# Altium PCB OBC-FPGA.PcbDoc (part 1 of 3) (continued)
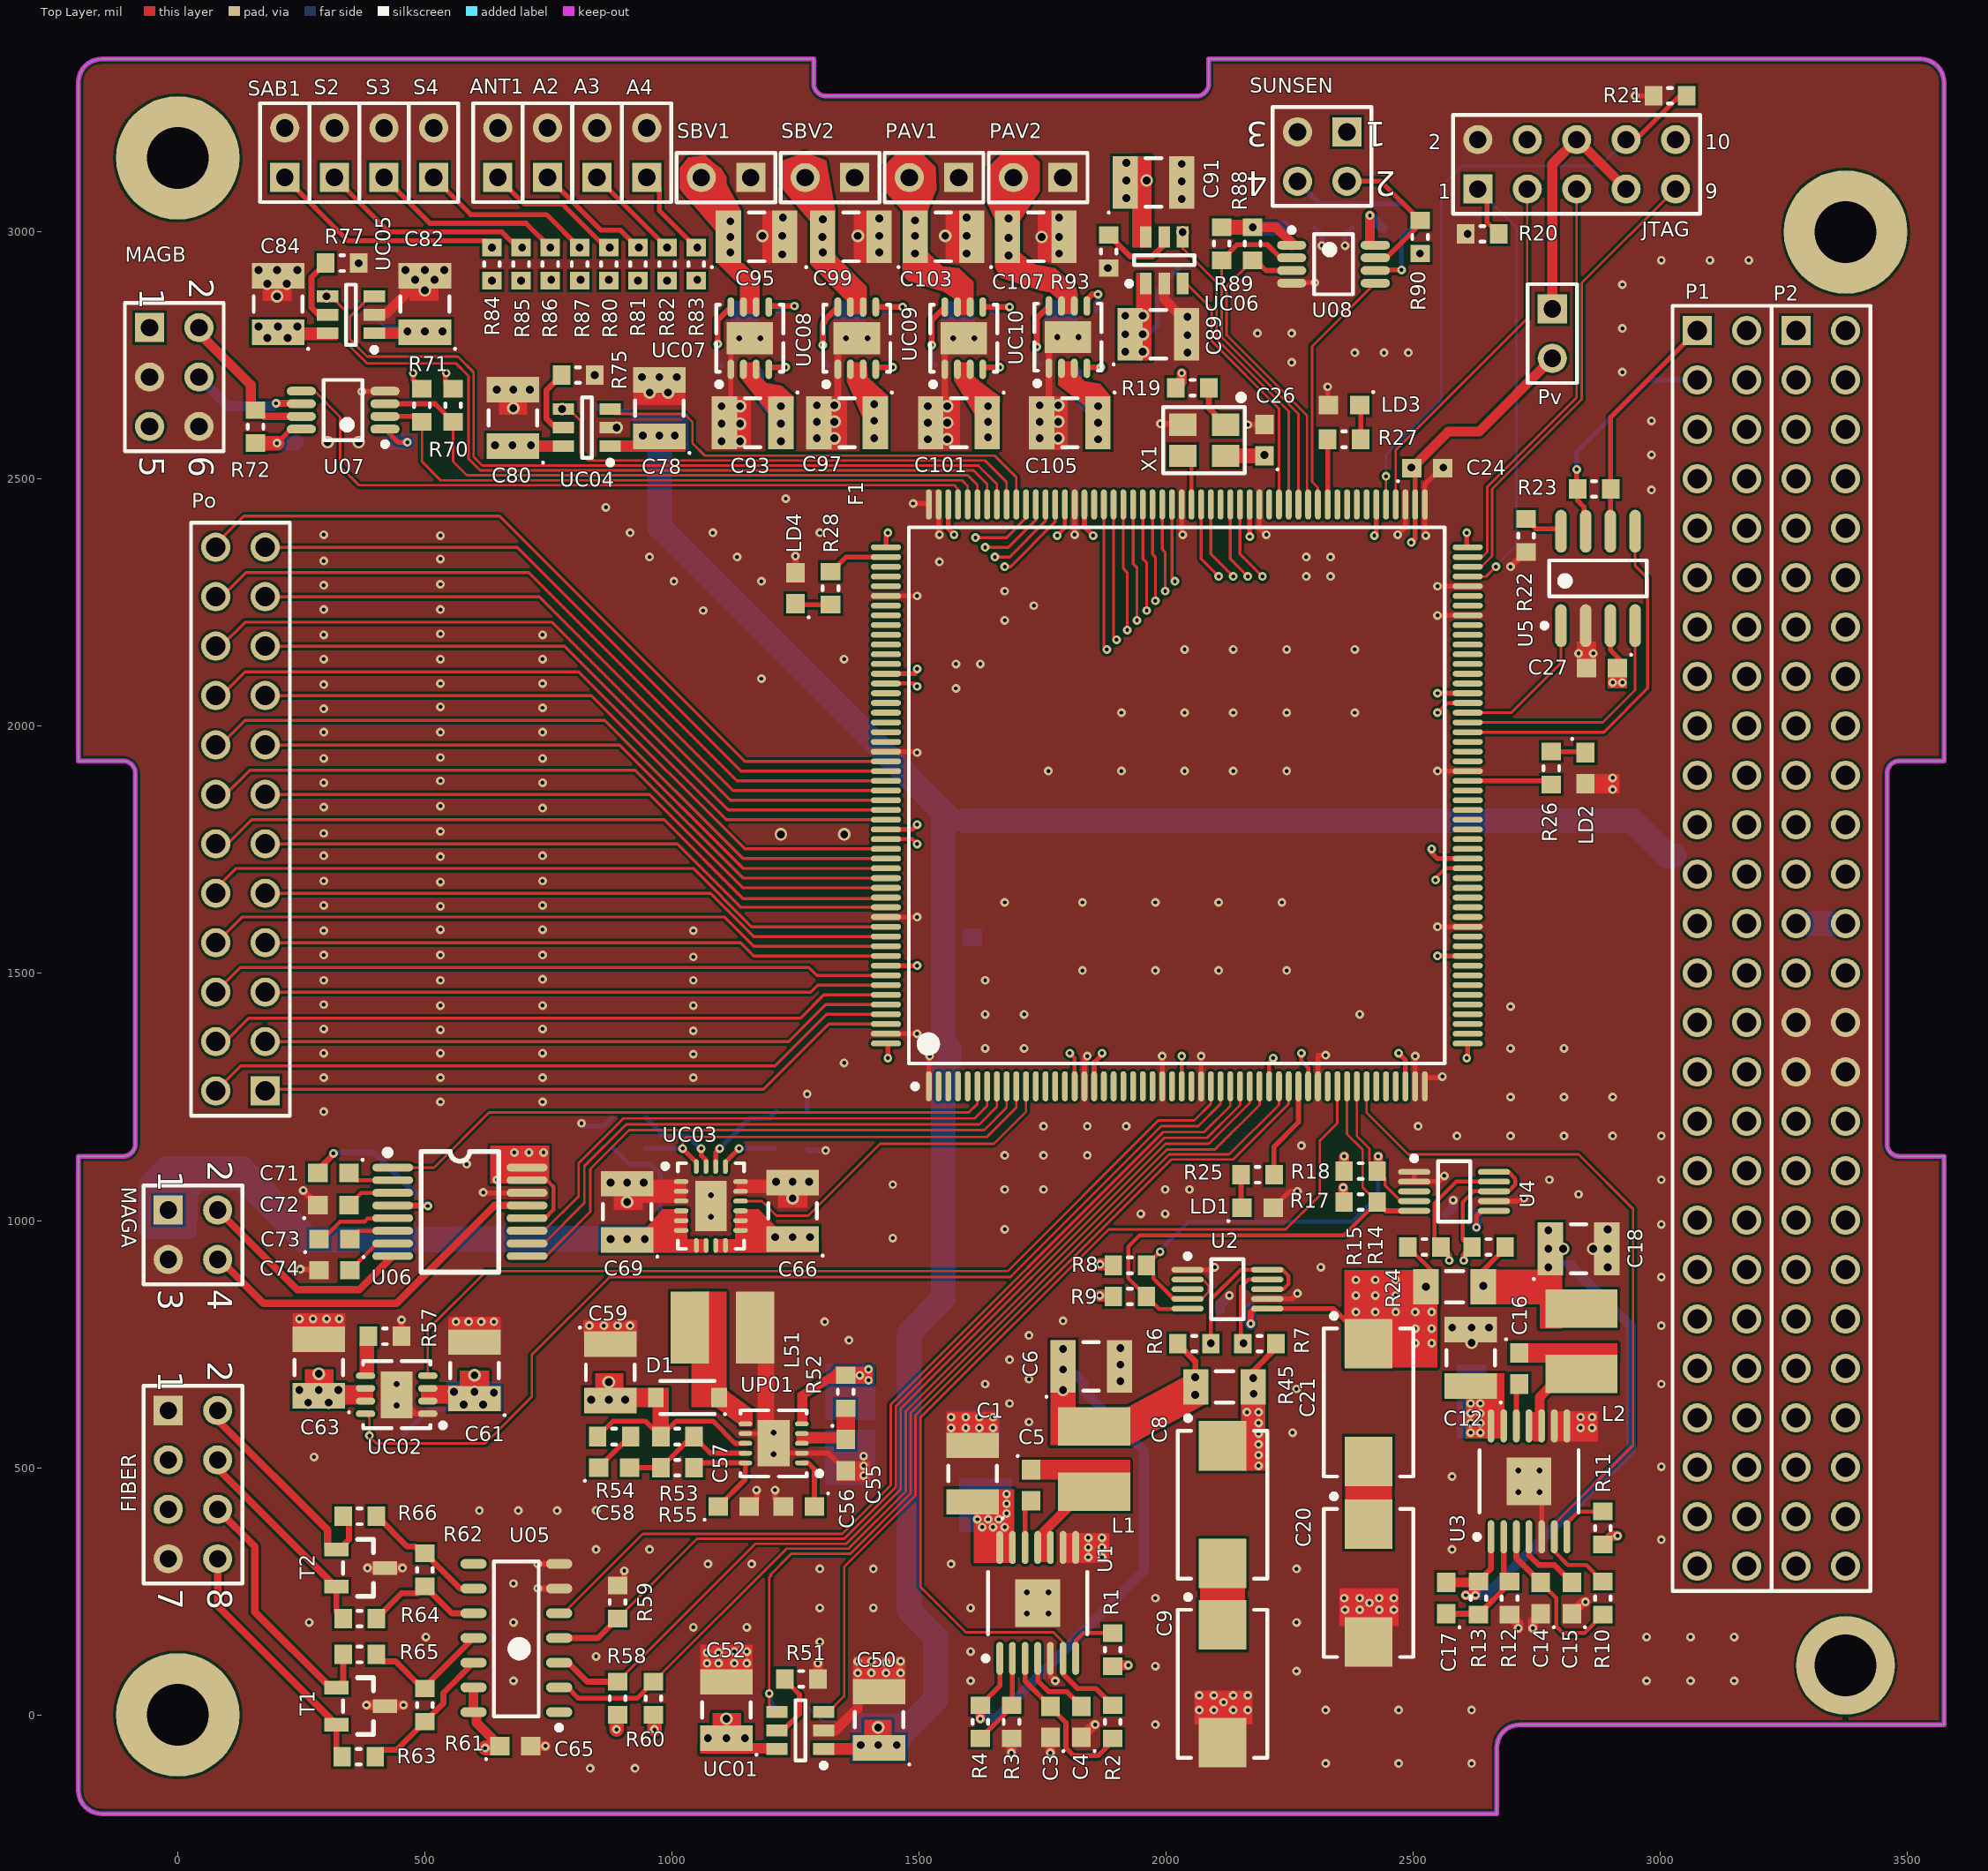
[diagram p0: Top Layer view]
## Components (designator, comment, footprint, x,y, rotation, side; value= is the part's Value field where it differs from the comment)
A2 "Header 2" HDR1X2 748.03,3110.63 r90 top
A3 "Header 2" HDR1X2 848.43,3110.63 r90 top
A4 "Header 2" HDR1X2 948.82,3110.63 r90 top
ANT1 "Header 2" HDR1X2 647.64,3110.63 r90 top
C1 "22uF" 1210(3225)-C-IPC 1608.27,488.19 r90 top
C2 "100nF" 0805(2012)-C-IPC 1610.24,488.19 r90 bottom
C3 "1.0uF" 0603(1608)-C-IPC 1765.75,-14.17 r90 top
C4 "3.3nF" 0603(1608)-C-IPC 1828.74,-14.17 r90 top
C5 "100nF" 0603(1608)-C-IPC 1726.38,464.57 r270 top
C6 "22uF" 1210(3225)-C-IPC 1848.43,704.72 r0 top
C7 "100nF" 0805(2012)-C-IPC 1852.36,687.01 r0 bottom
C8 "220uF" TanCap-D(7343)-C-IPC 2114.17,425.2 r90 top
C9 "220uF" TanCap-D(7343)-C-IPC 2114.17,62.99 r90 top
C10 "100nF" 0603(1608)-C-IPC 2122.05,748.06 r180 bottom
C11 "100nF" 0603(1608)-C-IPC 2139.76,819.88 r180 bottom
C12 "22uF" 1210(3225)-C-IPC 2616.14,722.44 r90 top
C13 "100nF" 0805(2012)-C-IPC 2618.11,718.5 r90 bottom
C14 "1.0uF" 0603(1608)-C-IPC 2757.87,236.22 r90 top
C15 "15nF" 0603(1608)-C-IPC 2820.87,236.22 r90 top
C16 "100nF" 0603(1608)-C-IPC 2714.57,700.79 r270 top
C17 "10pF" 0603(1608)-C-IPC 2566.93,236.22 r90 top
C18 "22uF" 1210(3225)-C-IPC 2834.65,942.91 r0 top
C19 "100nF" 0805(2012)-C-IPC 2836.61,940.94 r0 bottom
C20 "220uF" TanCap-D(7343)-C-IPC 2409.45,266.73 r90 top
C21 "220uF" TanCap-D(7343)-C-IPC 2409.45,631.89 r90 top
C22 "100nF" 0603(1608)-C-IPC 2587.6,946.85 r0 bottom
C23 "100nF" 0603(1608)-C-IPC 2598.43,1013.78 r180 bottom
C24 "10nF" 0603(1608)-C-IPC 2528.41,2522.46 r0 top
C25 "330nF" 0603(1608)-C-IPC 2528.41,2522.46 r0 bottom
C26 "100nF" 0603(1608)-C-IPC 2198.82,2578.74 r90 top
C27 "100nF" 0603(1608)-C-IPC 2881.89,2118.11 r180 top
C50 "22uF" 1210(3225)-C-IPC 1419.29,-9.84 r90 top
C51 "100nF" 0805(2012)-C-IPC 1417.32,11.81 r90 bottom
C52 "22uF" 1210(3225)-C-IPC 1110.24,9.84 r90 top
C53 "100nF" 0805(2012)-C-IPC 1110.24,30.51 r90 bottom
C54 "10uF" 0805(2012)-C-IPC 1338.58,586.61 r90 bottom
C55 "100nF" 0603(1608)-C-IPC 1351.38,525.59 r270 top
C56 "4.7nF" 0603(1608)-C-IPC 1256.89,421.26 r180 top
C57 "220nF" 0603(1608)-C-IPC 1125,421.26 r0 top
C58 "10pF" 0603(1608)-C-IPC 882.87,500 r0 top
C59 "22uF" 1210(3225)-C-IPC 875,692.91 r270 top
C60 "100nF" 0805(2012)-C-IPC 873.03,712.6 r270 bottom
C61 "22uF" 1210(3225)-C-IPC 600.39,696.85 r90 top
C62 "100nF" 0805(2012)-C-IPC 600.39,718.5 r90 bottom
C63 "22uF" 1210(3225)-C-IPC 285.43,702.76 r90 top
C64 "100nF" 0805(2012)-C-IPC 285.43,724.41 r90 bottom
C65 "100nF" 0603(1608)-C-IPC 683.07,-62.99 r0 top
C66 "22uF" 1210(3225)-C-IPC 1244.09,1019.68 r90 top
C67 "100nF" 0805(2012)-C-IPC 1244.09,997.05 r90 bottom
C68 "10nF" 0603(1608)-C-IPC 1242.13,1220.47 r0 bottom
C69 "22uF" 1210(3225)-C-IPC 909.45,1017.72 r90 top
C70 "100nF" 0805(2012)-C-IPC 911.42,998.03 r90 bottom
C71 "100nF" 0603(1608)-C-IPC 314.96,1096.46 r180 top
C72 "100nF" 0603(1608)-C-IPC 314.96,1031.5 r0 top
C73 "100nF" 0603(1608)-C-IPC 316.93,962.6 r0 top
C74 "100nF" 0603(1608)-C-IPC 316.93,899.61 r180 top
C75 "100nF" 0603(1608)-C-IPC 614.17,1114.17 r0 bottom
C76 "100nF" 0603(1608)-C-IPC 397.64,2574.8 r180 bottom
C77 "100nF" 0603(1608)-C-IPC 271.65,2574.8 r0 bottom
C78 "22uF" 1210(3225)-C-IPC 974.41,2643.7 r90 top
C79 "100nF" 0805(2012)-C-IPC 975.39,2641.73 r90 bottom
C80 "22uF" 1210(3225)-C-IPC 678.15,2624.02 r90 top
C81 "100nF" 0805(2012)-C-IPC 678.15,2603.35 r90 bottom
C82 "22uF" 1210(3225)-C-IPC 500,2854.33 r90 top
C83 "100nF" 0805(2012)-C-IPC 498.03,2831.69 r90 bottom
C84 "22uF" 1210(3225)-C-IPC 202.76,2854.33 r90 top
C85 "100nF" 0805(2012)-C-IPC 200.79,2832.68 r90 bottom
C87 "100nF" 0603(1608)-C-IPC 2269.68,3007.87 r0 bottom
C88 "100nF" 0603(1608)-C-IPC 2407.48,3007.87 r180 bottom
C89 "22uF" 1210(3225)-C-IPC 1984.25,2793.31 r0 top
C90 "100nF" 0805(2012)-C-IPC 1996.06,2789.37 r0 bottom
C91 "22uF" 1210(3225)-C-IPC 1974.41,3100.39 r0 top
C92 "100nF" 0805(2012)-C-IPC 1996.06,3100.39 r0 bottom
C93 "22uF" 1210(3225)-C-IPC 1163.39,2614.17 r180 top
C94 "100nF" 0805(2012)-C-IPC 1185.04,2612.2 r180 bottom
C95 "22uF" 1210(3225)-C-IPC 1171.26,2990.16 r0 top
C96 "100nF" 0805(2012)-C-IPC 1152.56,2990.16 r0 bottom
C97 "22uF" 1210(3225)-C-IPC 1354.33,2614.17 r180 top
C98 "100nF" 0805(2012)-C-IPC 1375.98,2614.17 r180 bottom
C99 "22uF" 1210(3225)-C-IPC 1362.2,2990.16 r0 top
C100 "100nF" 0805(2012)-C-IPC 1346.46,2990.16 r0 bottom
C101 "22uF" 1210(3225)-C-IPC 1580.71,2614.17 r180 top
C102 "100nF" 0805(2012)-C-IPC 1602.36,2614.17 r180 bottom
C103 "22uF" 1210(3225)-C-IPC 1549.21,2990.16 r0 top
C104 "100nF" 0805(2012)-C-IPC 1527.56,2988.19 r0 bottom
C105 "22uF" 1210(3225)-C-IPC 1805.12,2614.17 r180 top
C106 "100nF" 0805(2012)-C-IPC 1827.76,2614.17 r180 bottom
C107 "22uF" 1210(3225)-C-IPC 1736.22,2990.16 r0 top
C108 "100nF" 0805(2012)-C-IPC 1714.57,2986.22 r0 bottom
D1 "B130LAW" SOD-123-D-IPC 1031.5,641.73 r180 top
F1 "A3P1000PQ208" SQFP50P3060X3060X410-208N 2021.65,1860.24 r90 top locked
FIBER "Header 4X2" HDR2X4 -19.29,615.75 r270 top locked
JTAG "Header 5X2" HDR2X5 2630.71,3087.01 r0 top
L1 "XAL4030-332" Inductor-CoilCraft-XAL40xx 1854.33,517.72 r90 top
L2 "XAL4030-472" Inductor-CoilCraft-XAL40xx 2840.55,755.91 r90 top
L51 "XAL4030-472" Inductor-CoilCraft-XAL40xx 1102.36,783.46 r180 top value=4.7uH
LD1 "LED" 0603(1608)-C-IPC 2185.04,1025.59 r0 top
LD2 "LED" 0603(1608)-C-IPC 2848.43,1915.35 r270 top
LD3 "LED" 0603(1608)-C-IPC 2360.24,2649.61 r180 top
LD4 "LED" 0603(1608)-C-IPC 1250,2279.53 r90 top
MAGA "Header 2X2" HDR2X2 -19.29,1021.26 r270 top
MAGB "Header 3X2" HDR2X3 -57.09,2806.69 r270 top
P1 "Header 26X2H" "DIP 26x2-2.54mm"#1 3074.85,2800.8 r270 top locked
P2 "Header 26X2H" "DIP 26x2-2.54mm"#2 3274.85,2800.8 r270 top
PAV1 "Header 2" HDR1X2 1580.32,3110.24 r180 top
PAV2 "Header 2" HDR1X2 1790.94,3110.24 r180 top
Po "Header 12x2" "DIP 12x2-2.54mm" 176.77,1262.2 r90 top locked
Pv "Header 2" HDR1X2 2781.5,2844.49 r270 top
R1 "10K" 0603(1608)-R-IPC 1891.73,131.89 r270 top
R2 "100K" 0603(1608)-R-IPC 1891.73,-14.17 r90 top
R3 "24.9K" 0603(1608)-R-IPC 1687.01,-14.17 r90 top
R4 "24K" 0603(1608)-R-IPC 1624.02,-14.17 r90 top
R5 "0.05" 1206(3216)-R-IPC 2118.12,663.39 r180 bottom
R6 "10" 0603(1608)-R-IPC 2057.09,751.02 r180 top
R7 "10" 0603(1608)-R-IPC 2188.98,751.02 r0 top
R8 "10K" 0603(1608)-R-IPC 1926.77,909.45 r180 top
R9 "10K" 0603(1608)-R-IPC 1926.77,846.46 r180 top
R10 "100K" 0603(1608)-R-IPC 2883.86,236.22 r90 top
R11 "10K" 0603(1608)-R-IPC 2883.86,377.95 r270 top
R12 "25.5K" 0603(1608)-R-IPC 2694.88,236.22 r90 top
R13 "84.5K" 0603(1608)-R-IPC 2631.89,236.22 r90 top
R14 "10" 0603(1608)-R-IPC 2652.56,946.85 r0 top
R15 "10" 0603(1608)-R-IPC 2522.64,946.85 r180 top
R16 "0.05" 1206(3216)-R-IPC 2583.66,866.14 r0 bottom
R17 "10K" 0603(1608)-R-IPC 2393.7,1037.4 r180 top
R18 "10K" 0603(1608)-R-IPC 2393.7,1100.39 r180 top
R19 "1K" 0603(1608)-R-IPC 2053.15,2685.04 r0 top
R20 "1K" 0603(1608)-R-IPC 2639.76,2996.06 r0 top
R21 "1K" 0603(1608)-R-IPC 3019.69,3275.59 r180 top
R22 "10K" 0603(1608)-R-IPC 2728.35,2385.83 r90 top
R23 "120" 0603(1608)-R-IPC 2866.14,2480.32 r0 top value=120R
R24 "0.05" 1206(3216)-R-IPC 2583.66,866.14 r0 top
R25 "1K" 0603(1608)-R-IPC 2185.04,1092.52 r180 top
R26 "1K" 0603(1608)-R-IPC 2779.53,1915.35 r90 top
R27 "1K" 0603(1608)-R-IPC 2360.24,2580.71 r0 top
R28 "1K" 0603(1608)-R-IPC 1320.87,2279.53 r270 top
R45 "0.05" 1206(3216)-R-IPC 2118.12,663.39 r180 top
R50 "100K" 0603(1608)-R-IPC 1244.09,13.78 r180 bottom
R51 "80K" 0603(1608)-R-IPC 1261.81,72.83 r0 top
R52 "10" 0603(1608)-R-IPC 1351.38,653.54 r270 top value=10R
R53 "412K" 0603(1608)-R-IPC 1010.83,562.99 r180 top
R54 "100K" 0603(1608)-R-IPC 882.87,562.99 r180 top
R55 "150K" 0603(1608)-R-IPC 1010.83,500 r0 top
R56 "100K" 0603(1608)-R-IPC 419.29,566.93 r180 bottom
R57 "73.2K" 0603(1608)-R-IPC 419.29,765.75 r180 top
R58 "10K" 0603(1608)-R-IPC 889.76,33.46 r90 top
R59 "10K" 0603(1608)-R-IPC 889.76,228.35 r90 top
R60 "10K" 0603(1608)-R-IPC 962.6,33.46 r90 top
R61 "Rt" 0603(1608)-R-IPC 500,19.69 r270 top value=1K
R62 "Rt" 0603(1608)-R-IPC 500,293.31 r270 top value=1K
R63 "10" 0603(1608)-R-IPC 366.14,-84.65 r180 top value=10R
R64 "10" 0603(1608)-R-IPC 368.11,194.88 r180 top value=10R
R65 "10" 0603(1608)-R-IPC 368.11,122.05 r180 top value=10R
R66 "10" 0603(1608)-R-IPC 368.11,401.57 r180 top value=10R
R67 "931K" 0603(1608)-R-IPC 1242.13,1143.7 r180 bottom
R68 "10K" 0603(1608)-R-IPC 913.39,1145.67 r0 bottom
R69 "412K" 0603(1608)-R-IPC 913.39,1208.66 r0 bottom
R70 "10K" 0603(1608)-R-IPC 557.09,2649.61 r270 top
R71 "10K" 0603(1608)-R-IPC 494.09,2649.61 r270 top
R72 "10K" 0603(1608)-R-IPC 157.48,2606.3 r90 top
R73 "10K" 0603(1608)-R-IPC 155.51,2606.3 r90 bottom
R74 "100K" 0603(1608)-R-IPC 810.04,2651.57 r180 bottom
R75 "80K" 0603(1608)-R-IPC 810.04,2710.63 r0 top
R76 "100K" 0603(1608)-R-IPC 332.68,2860.24 r180 bottom
R77 "210K" 0603(1608)-R-IPC 332.68,2937.01 r0 top
R80 "10K" 0603(1608)-R-IPC 872.05,2935.04 r270 top
R81 "10K" 0603(1608)-R-IPC 931.1,2935.04 r270 top
R82 "10K" 0603(1608)-R-IPC 990.16,2935.04 r270 top
R83 "10K" 0603(1608)-R-IPC 1049.21,2935.04 r270 top
R84 "10K" 0603(1608)-R-IPC 635.83,2935.04 r270 top
R85 "10K" 0603(1608)-R-IPC 694.88,2935.04 r270 top
R86 "10K" 0603(1608)-R-IPC 753.94,2935.04 r270 top
R87 "10K" 0603(1608)-R-IPC 812.99,2935.04 r270 top
R88 "10K" 0603(1608)-R-IPC 2175.2,2976.38 r270 top
R89 "10K" 0603(1608)-R-IPC 2112.2,2976.38 r270 top
R90 "10K" 0603(1608)-R-IPC 2513.78,2990.16 r90 top
R91 "10K" 0603(1608)-R-IPC 2513.78,2990.16 r90 bottom
R92 "100K" 0603(1608)-R-IPC 2025.59,2960.63 r90 bottom
R93 "210K" 0603(1608)-R-IPC 1883.86,2960.63 r270 top
R94 "100K" 0603(1608)-R-IPC 1133.86,2730.31 r180 bottom
R95 "73.2K" 0603(1608)-R-IPC 1181.1,2840.55 r0 bottom
R96 "100K" 0603(1608)-R-IPC 1350.39,2730.31 r180 bottom
R97 "73.2K" 0603(1608)-R-IPC 1397.64,2840.55 r0 bottom
R98 "100K" 0603(1608)-R-IPC 1566.93,2730.31 r180 bottom
R99 "73.2K" 0603(1608)-R-IPC 1614.17,2840.55 r0 bottom
R100 "100K" 0603(1608)-R-IPC 1777.56,2732.28 r180 bottom
R101 "73.2K" 0603(1608)-R-IPC 1824.8,2842.52 r0 bottom
S2 "Header 2" HDR1X2 316.93,3110.63 r90 top
S3 "Header 2" HDR1X2 417.32,3110.63 r90 top
S4 "Header 2" HDR1X2 517.72,3110.63 r90 top
SAB1 "Header 2" HDR1X2 216.54,3110.63 r90 top
SBV1 "Header 2" HDR1X2 1159.45,3110.24 r180 top
SBV2 "Header 2" HDR1X2 1369.68,3110.24 r180 top
SUNSEN "Header 2X2" HDR2X2 2365.75,3202.76 r180 top
T1 "TVS-0502B" SOT23-3 370.08,17.72 r180 top
T2 "TVS-0502B" SOT23-3 370.08,297.24 r180 top
U1 "TPS54225" TSSOP-14-4.4x5-0.65-w.TP-IPC 1740.16,226.38 r90 top
U2 "INA220" TSSOP-10-3x3-IPC 2124.02,861.22 r0 top
U3 "TPS54225" TSSOP-14-4.4x5-0.65-w.TP-IPC 2734.25,472.44 r90 top
U4 "INA220" TSSOP-10-3x3-IPC 2582.68,1059.06 r0 top
U05 "SN65LBC180" SOIC127P600X175-14N 685.04,155.51 r180 top
U5 "SN65HVD233" SOP-8-3.9x4.9-IPC 2874.02,2299.21 r90 top
U06 "MAX3227E" SSOP-16_208mil 570.87,1017.72 r270 top
U07 "TCA9517" TSSOP-8-3x3-IPC 334.65,2639.76 r180 top
U08 "TCA9517" TSSOP-8-3x3-IPC 2338.58,2935.04 r0 top
UC01 "TPS2553DBV" SOT23-6-IPC 1259.84,-31.5 r180 top
UC02 "TPS2556DRB" SON-8-3x3-w.TP-IPC 442.91,647.64 r180 top
UC03 "TPS25940x" QFN-20-0.5-3x4-w.TP-IPC 1078.74,1029.53 r0 top
UC04 "TPS2553DBV" SOT23-6-IPC 827.76,2604.33 r180 top
UC05 "TPS2553DBV" SOT23-6-IPC 350.39,2832.68 r180 top
UC06 "TPS2553DBV" SOT23-6-IPC 1996.06,2942.91 r90 top
UC07 "TPS2556DRB" SON-8-3x3-w.TP-IPC 1157.48,2785.43 r90 top
UC08 "TPS2556DRB" SON-8-3x3-w.TP-IPC 1374.02,2785.43 r90 top
UC09 "TPS2556DRB" SON-8-3x3-w.TP-IPC 1590.55,2785.43 r90 top
UC10 "TPS2556DRB" SON-8-3x3-w.TP-IPC 1801.18,2787.4 r90 top
UP01 "TPS63700" DFN-10-0.5-3x3-w.TP-IPC 1205.71,549.21 r180 top
X1 "50Mhz" LC-SMD-3225_4P 2076.77,2578.74 r180 top

## Footprints (in the part's own frame and the unit in brackets; to place one, negate y for a bottom-side part, rotate by r counter-clockwise, add the part's x,y. Pads: shape width x height; smd on the part's side, far side on the other; paste and mask are expansions set on the pad)
0603(1608)-C-IPC [mm] "Chip Capacitor, 2-Leads, Body 1.60x0.80mm, IPC Medium Density"
  rect 1x0.95 smd: 1(-0.8,0) 2(0.8,0)
  silkscreen extent -1.55,-0.72 -1.45,-0.63, body extent -0.88,-0.48 0.87,0.48, height 0.85
0603(1608)-R-IPC [mm] "Chip Resistor, 2-Leads, Body 1.60x0.82mm, IPC Medium Density"
  rect 0.9x1 smd: 1(-0.85,0) 2(0.85,0)
  silkscreen extent -0.1,-0.4 0.1,0.4, body extent -0.85,-0.48 0.85,0.47, height 0.6
0805(2012)-C-IPC [mm] "Chip Capacitor, 2-Leads, Body 2.00x1.25mm, IPC Medium Density"
  rect 1.3x1.5 smd: 1(-0.875,0) 2(0.875,0)
  silkscreen extent -1.8,-1.02 -1.7,-0.92, body extent -1.1,-0.72 1.1,0.72, height 1.1
1206(3216)-R-IPC [mm] "Chip Resistor, 2-Leads, Body 3.20x1.60mm, IPC Medium Density"
  rect 1.3x1.8 smd: 1(-1.475,0) 2(1.475,0)
  silkscreen extent -0.45,-0.8 0.45,0.8, body extent -1.68,-0.87 1.67,0.87, height 0.7
1210(3225)-C-IPC [mm] "Chip Capacitor, 2-Leads, Body 3.20x2.50mm, IPC Medium Density"
  rect 1.3x2.7 smd: 1(-1.45,0) 2(1.45,0)
  silkscreen extent -2.35,-1.6 0.4,1.25, body extent -1.7,-1.35 1.7,1.35, height 2.7
DFN-10-0.5-3x3-w.TP-IPC [mm] "DFN, 10-Leads, Body 3.00x3.00mm, Pitch 0.50mm, Thermal Pad 2.38x1.65mm, IPC Medium Density"
  oval 0.7x0.25 smd mask+0.05: 1(-1.45,1) 2(-1.45,0.5) 3(-1.45,0) 4(-1.45,-0.5) 5(-1.45,-1) 6(1.45,-1) 7(1.45,-0.5) 8(1.45,0) 9(1.45,0.5) 10(1.45,1)
  rect 1.65x2.38 smd mask+0.05: 11(0,0)
  silkscreen extent -2.48,-1.7 1.7,1.7, body extent -1.55,-1.55 1.55,1.55, height 0.8
"DIP 12x2-2.54mm" [mm]
  rect 1.5x1.5 hole 1: 1(0,0)
  round 1.5 hole 1: 2(0,2.54) 3(2.54,0) 4(2.54,2.54) 5(5.08,0) 6(5.08,2.54) 7(7.62,0) 8(7.62,2.54) 9(10.16,0) 10(10.16,2.54) 11(12.7,0) 12(12.7,2.54) 13(15.24,0) 14(15.24,2.54) 15(17.78,0) 16(17.78,2.54) 17(20.32,0) 18(20.32,2.54) 19(22.86,0) 20(22.86,2.54) 21(25.4,0) 22(25.4,2.54) 23(27.94,0) 24(27.94,2.54)
  silkscreen extent -1.27,-1.27 29.21,3.81, body extent -1.28,-1.28 29.21,3.83, height 7.5
"DIP 26x2-2.54mm"#1 [mm] "Connector; Header; 26x2 Position"
  rect 1.5x1.5 hole 1 mask+0.05: 1(0,0)
  round 1.5 hole 1 mask+0.05: 2(0,2.54) 3(2.54,0) 4(2.54,2.54) 5(5.08,0) 6(5.08,2.54) 7(7.62,0) 8(7.62,2.54) 9(10.16,0) 10(10.16,2.54) 11(12.7,0) 12(12.7,2.54) 13(15.24,0) 14(15.24,2.54) 15(17.78,0) 16(17.78,2.54) 17(20.32,0) 18(20.32,2.54) 19(22.86,0) 20(22.86,2.54) 21(25.4,0) 22(25.4,2.54) 23(27.94,0) 24(27.94,2.54) 25(30.48,0) 26(30.48,2.54) 27(33.02,0) 28(33.02,2.54) 29(35.56,0) 30(35.56,2.54) 31(38.1,0) 32(38.1,2.54) 33(40.64,0) 34(40.64,2.54) 35(43.18,0) 36(43.18,2.54) 37(45.72,0) 38(45.72,2.54) 39(48.26,0) 40(48.26,2.54) 41(50.8,0) 42(50.8,2.54) 43(53.34,0) 44(53.34,2.54) 45(55.88,0) 46(55.88,2.54) 47(58.42,0) 48(58.42,2.54) 49(60.96,0) 50(60.96,2.54) 51(63.5,0) 52(63.5,2.54)
  silkscreen extent -1.27,-1.27 64.77,3.81, body extent -1.28,-1.28 64.78,3.83, height 7.5
"DIP 26x2-2.54mm"#2 [mm] "Connector; Header; 26x2 Position"
  rect 1.5x1.5 hole 1: 1(0,0)
  round 1.5 hole 1: 2(0,2.54) 3(2.54,0) 4(2.54,2.54) 5(5.08,0) 6(5.08,2.54) 7(7.62,0) 8(7.62,2.54) 9(10.16,0) 10(10.16,2.54) 11(12.7,0) 12(12.7,2.54) 13(15.24,0) 14(15.24,2.54) 15(17.78,0) 16(17.78,2.54) 17(20.32,0) 18(20.32,2.54) 19(22.86,0) 20(22.86,2.54) 21(25.4,0) 22(25.4,2.54) 23(27.94,0) 24(27.94,2.54) 25(30.48,0) 26(30.48,2.54) 27(33.02,0) 28(33.02,2.54) 29(35.56,0) 30(35.56,2.54) 31(38.1,0) 32(38.1,2.54) 33(40.64,0) 34(40.64,2.54) 35(43.18,0) 36(43.18,2.54) 37(45.72,0) 38(45.72,2.54) 39(48.26,0) 40(48.26,2.54) 41(50.8,0) 42(50.8,2.54) 43(53.34,0) 44(53.34,2.54) 45(55.88,0) 46(55.88,2.54) 47(58.42,0) 48(58.42,2.54) 49(60.96,0) 50(60.96,2.54) 51(63.5,0) 52(63.5,2.54)
  silkscreen extent -1.27,-1.27 64.77,3.81, body extent -1.28,-1.28 64.78,3.83, height 7.5
HDR1X2 [mm] "Connector; Header; 2 Position"
  rect 1.5x1.5 hole 0.9: 1(0,0)
  round 1.5 hole 0.9: 2(2.54,0)
  silkscreen extent -1.27,-1.27 3.81,1.27
HDR2X2 [mm] "Connector; Header; 2x2 Position"
  rect 1.5x1.5 hole 0.9: 1(0,0)
  round 1.5 hole 0.9: 2(0,2.54) 3(2.54,0) 4(2.54,2.54)
  silkscreen extent -1.27,-1.27 3.81,3.81
HDR2X3 [mm] "Connector; Header; 3x2 Position"
  rect 1.5x1.5 hole 0.9: 1(0,0)
  round 1.5 hole 0.9: 2(0,2.54) 3(2.54,0) 4(2.54,2.54) 5(5.08,0) 6(5.08,2.54)
  silkscreen extent -1.27,-1.27 6.35,3.81
HDR2X4 [mm] "Connector; Header; 4x2 Position"
  rect 1.5x1.5 hole 0.9: 1(0,0)
  round 1.5 hole 0.9: 2(0,2.54) 3(2.54,0) 4(2.54,2.54) 5(5.08,0) 6(5.08,2.54) 7(7.62,0) 8(7.62,2.54)
  silkscreen extent -1.27,-1.27 8.89,3.81
HDR2X5 [mm] "Connector; Header; 5x2 Position"
  rect 1.5x1.5 hole 0.9: 1(0,0)
  round 1.5 hole 0.9: 2(0,2.54) 3(2.54,0) 4(2.54,2.54) 5(5.08,0) 6(5.08,2.54) 7(7.62,0) 8(7.62,2.54) 9(10.16,0) 10(10.16,2.54)
  silkscreen extent -1.27,-1.27 11.43,3.81
Inductor-CoilCraft-XAL40xx [mm] "COILCRAFT - XAL40xx"
  rect 1.98x3.7 smd: 1(-1.68,0) 2(1.68,0)
  body extent -2,-2 2,2, height 4.1
LC-SMD-3225_4P [mm]
  rect 1.4x1.15 smd: 1(-1.1,-0.8) 2(1.1,-0.8) 3(1.1,0.8) 4(-1.1,0.8)
  silkscreen extent -2.1,-2.35 2.1,1.7, body extent -1.6,-1.25 1.6,1.25, height 0.61
QFN-20-0.5-3x4-w.TP-IPC [mm] "QFN, 20-Leads, Body 4.00x3.00mm, Pitch 0.50mm, Thermal Pad 2.60x1.60mm, IPC Medium Density"
  oval 0.75x0.25 smd: 1(-1.525,1.25) 2(-1.525,0.75) 3(-1.525,0.25) 4(-1.525,-0.25) 5(-1.525,-0.75) 6(-1.525,-1.25) 11(1.525,-1.25) 12(1.525,-0.75) 13(1.525,-0.25) 14(1.525,0.25) 15(1.525,0.75) 16(1.525,1.25)
  oval 0.25x0.75 smd: 7(-0.75,-2.025) 8(-0.25,-2.025) 9(0.25,-2.025) 10(0.75,-2.025) 17(0.75,2.025) 18(0.25,2.025) 19(-0.25,2.025) 20(-0.75,2.025)
  rect 1.6x2.6 smd: 21(0,0)
  silkscreen extent -2.47,-2.2 1.7,2.2, body extent -1.55,-2.05 1.55,2.05, height 0.8
SOD-123-D-IPC [mm] "Molded Diode, 2-Leads, Body 2.70x1.60mm, IPC Medium Density"
  rect 0.8x1 smd: 1(1.625,0) 2(-1.625,0)
  silkscreen extent -1.97,-0.85 1.4,0.9, body extent -1.4,-0.85 1.4,0.85, height 1.25
SOIC127P600X175-14N [mm] "SOIC, 14-Leads, Body 8.65x3.90mm, Pitch 1.27mm, IPC Medium Density"
  oval 1.35x0.5 smd: 1(-2.2,3.81) 2(-2.2,2.54) 3(-2.2,1.27) 4(-2.2,0) 5(-2.2,-1.27) 6(-2.2,-2.54) 7(-2.2,-3.81) 8(2.2,-3.81) 9(2.2,-2.54) 10(2.2,-1.27) 11(2.2,0) 12(2.2,1.27) 13(2.2,2.54) 14(2.2,3.81)
  silkscreen extent -2.33,-3.93 1.15,4.73, body extent -2,-4.4 2,4.4, height 1.75
SON-8-3x3-w.TP-IPC [mm] "QFN, 8-Leads, Body 3.00x3.00mm, Pitch 0.65mm, Thermal Pad 2.40x1.65mm, IPC Medium Density"
  oval 1x0.35 smd: 1(-1.6,0.975) 2(-1.6,0.325) 3(-1.6,-0.325) 4(-1.6,-0.975) 5(1.6,-0.975) 6(1.6,-0.325) 7(1.6,0.325) 8(1.6,0.975)
  rect 1.65x2.4 smd: 9(0,0)
  silkscreen extent -2.5,-1.73 1.73,1.73, body extent -1.58,-1.58 1.58,1.57, height 1
SOP-8-3.9x4.9-IPC [mm] "SOP, 8-Leads, Body 4.90x3.90mm, Pitch 1.27mm, IPC Medium Density"
  oval 2.2x0.6 smd: 1(-2.425,1.905) 2(-2.425,0.635) 3(-2.425,-0.635) 4(-2.425,-1.905) 5(2.425,-1.905) 6(2.425,-0.635) 7(2.425,0.635) 8(2.425,1.905)
  silkscreen extent -2.55,-2.5 0.93,2.88, body extent -2,-2.5 2,2.5, height 1.75
SOT23-3 [mm]
  rect 1.25x0.7 smd: 1(1.25,-0.95) 2(1.25,0.95) 3(-1.25,0)
  silkscreen extent -0.65,-1.46 0.9,1.46, body extent -1.5,-1.5 1.5,1.5, height 1.3
SOT23-6-IPC [mm] "SOT23, 6-Leads, Body 2.90x2.80mm, Pitch 0.95mm, IPC Medium Density"
  rect 1.1x0.6 smd: 1(-1.2,0.95) 2(-1.2,0) 3(-1.2,-0.95) 4(1.2,-0.95) 5(1.2,0) 6(1.2,0.95)
  silkscreen extent -1.33,-1.55 0.25,1.92, body extent -0.87,-1.52 0.87,1.53, height 1.45
SQFP50P3060X3060X410-208N [mm] "SQFP, 208-Leads, Body 28.00x28.00mm, Pitch 0.50mm, IPC Medium Density"
  oval 1.55x0.3 smd: 1(-14.95,12.75) 2(-14.95,12.25) 3(-14.95,11.75) 4(-14.95,11.25) 5(-14.95,10.75) 6(-14.95,10.25) 7(-14.95,9.75) 8(-14.95,9.25) 9(-14.95,8.75) 10(-14.95,8.25) 11(-14.95,7.75) 12(-14.95,7.25) 13(-14.95,6.75) 14(-14.95,6.25) 15(-14.95,5.75) 16(-14.95,5.25) 17(-14.95,4.75) 18(-14.95,4.25) 19(-14.95,3.75) 20(-14.95,3.25) 21(-14.95,2.75) 22(-14.95,2.25) 23(-14.95,1.75) 24(-14.95,1.25) 25(-14.95,0.75) 26(-14.95,0.25) 27(-14.95,-0.25) 28(-14.95,-0.75) 29(-14.95,-1.25) 30(-14.95,-1.75) 31(-14.95,-2.25) 32(-14.95,-2.75) 33(-14.95,-3.25) 34(-14.95,-3.75) 35(-14.95,-4.25) 36(-14.95,-4.75) 37(-14.95,-5.25) 38(-14.95,-5.75) 39(-14.95,-6.25) 40(-14.95,-6.75) 41(-14.95,-7.25) 42(-14.95,-7.75) 43(-14.95,-8.25) 44(-14.95,-8.75) 45(-14.95,-9.25) 46(-14.95,-9.75) 47(-14.95,-10.25) 48(-14.95,-10.75) 49(-14.95,-11.25) 50(-14.95,-11.75) 51(-14.95,-12.25) 52(-14.95,-12.75) 105(14.95,-12.75) 106(14.95,-12.25) 107(14.95,-11.75) 108(14.95,-11.25) 109(14.95,-10.75) 110(14.95,-10.25) 111(14.95,-9.75) 112(14.95,-9.25) 113(14.95,-8.75) 114(14.95,-8.25) 115(14.95,-7.75) 116(14.95,-7.25) 117(14.95,-6.75) 118(14.95,-6.25) 119(14.95,-5.75) 120(14.95,-5.25) 121(14.95,-4.75) 122(14.95,-4.25) 123(14.95,-3.75) 124(14.95,-3.25) 125(14.95,-2.75) 126(14.95,-2.25) 127(14.95,-1.75) 128(14.95,-1.25) 129(14.95,-0.75) 130(14.95,-0.25) 131(14.95,0.25) 132(14.95,0.75) 133(14.95,1.25) 134(14.95,1.75) 135(14.95,2.25) 136(14.95,2.75) 137(14.95,3.25) 138(14.95,3.75) 139(14.95,4.25) 140(14.95,4.75) 141(14.95,5.25) 142(14.95,5.75) 143(14.95,6.25) 144(14.95,6.75) 145(14.95,7.25) 146(14.95,7.75) 147(14.95,8.25) 148(14.95,8.75) 149(14.95,9.25) 150(14.95,9.75) 151(14.95,10.25) 152(14.95,10.75) 153(14.95,11.25) 154(14.95,11.75) 155(14.95,12.25) 156(14.95,12.75)
  oval 0.3x1.55 smd: 53(-12.75,-14.95) 54(-12.25,-14.95) 55(-11.75,-14.95) 56(-11.25,-14.95) 57(-10.75,-14.95) 58(-10.25,-14.95) 59(-9.75,-14.95) 60(-9.25,-14.95) 61(-8.75,-14.95) 62(-8.25,-14.95) 63(-7.75,-14.95) 64(-7.25,-14.95) 65(-6.75,-14.95) 66(-6.25,-14.95) 67(-5.75,-14.95) 68(-5.25,-14.95) 69(-4.75,-14.95) 70(-4.25,-14.95) 71(-3.75,-14.95) 72(-3.25,-14.95) 73(-2.75,-14.95) 74(-2.25,-14.95) 75(-1.75,-14.95) 76(-1.25,-14.95) 77(-0.75,-14.95) 78(-0.25,-14.95) 79(0.25,-14.95) 80(0.75,-14.95) 81(1.25,-14.95) 82(1.75,-14.95) 83(2.25,-14.95) 84(2.75,-14.95) 85(3.25,-14.95) 86(3.75,-14.95) 87(4.25,-14.95) 88(4.75,-14.95) 89(5.25,-14.95) 90(5.75,-14.95) 91(6.25,-14.95) 92(6.75,-14.95) 93(7.25,-14.95) 94(7.75,-14.95) 95(8.25,-14.95) 96(8.75,-14.95) 97(9.25,-14.95) 98(9.75,-14.95) 99(10.25,-14.95) 100(10.75,-14.95) 101(11.25,-14.95) 102(11.75,-14.95) 103(12.25,-14.95) 104(12.75,-14.95) 157(12.75,14.95) 158(12.25,14.95) 159(11.75,14.95) 160(11.25,14.95) 161(10.75,14.95) 162(10.25,14.95) 163(9.75,14.95) 164(9.25,14.95) 165(8.75,14.95) 166(8.25,14.95) 167(7.75,14.95) 168(7.25,14.95) 169(6.75,14.95) 170(6.25,14.95) 171(5.75,14.95) 172(5.25,14.95) 173(4.75,14.95) 174(4.25,14.95) 175(3.75,14.95) 176(3.25,14.95) 177(2.75,14.95) 178(2.25,14.95) 179(1.75,14.95) 180(1.25,14.95) 181(0.75,14.95) 182(0.25,14.95) 183(-0.25,14.95) 184(-0.75,14.95) 185(-1.25,14.95) 186(-1.75,14.95) 187(-2.25,14.95) 188(-2.75,14.95) 189(-3.25,14.95) 190(-3.75,14.95) 191(-4.25,14.95) 192(-4.75,14.95) 193(-5.25,14.95) 194(-5.75,14.95) 195(-6.25,14.95) 196(-6.75,14.95) 197(-7.25,14.95) 198(-7.75,14.95) 199(-8.25,14.95) 200(-8.75,14.95) 201(-9.25,14.95) 202(-9.75,14.95) 203(-10.25,14.95) 204(-10.75,14.95) 205(-11.25,14.95) 206(-11.75,14.95) 207(-12.25,14.95) 208(-12.75,14.95)
  silkscreen extent -15.07,-13.77 13.77,13.78, body extent -14,-14 14,14, height 4.1
SSOP-16_208mil [mm]
  oval 0.4x2.1 smd mask+0.051: 1(-2.275,-3.45) 2(-1.625,-3.45) 3(-0.975,-3.45) 4(-0.325,-3.45) 5(0.325,-3.45) 6(0.975,-3.45) 7(1.625,-3.45) 8(2.275,-3.45) 9(2.275,3.45) 10(1.625,3.45) 11(0.975,3.45) 12(0.325,3.45) 13(-0.325,3.45) 14(-0.975,3.45) 15(-1.625,3.45) 16(-2.275,3.45)
  silkscreen extent -3.2,-3.86 3.1,2
TanCap-D(7343)-C-IPC [mm] "Molded Capacitor, 2-Leads, Body 7.30x4.30mm, IPC Medium Density"
  rect 2.55x2.45 smd: 1(3.025,0) 2(-3.025,0)
  silkscreen extent -3.8,-2.3 4.57,2.3, body extent -3.8,-2.3 3.8,2.3, height 3.1
TSSOP-8-3x3-IPC [mm] "TSSOP, 8-Leads, Body 3.00x3.00mm, Pitch 0.65mm, IPC Medium Density"
  oval 1.5x0.45 smd: 1(-2.15,0.975) 2(-2.15,0.325) 3(-2.15,-0.325) 4(-2.15,-0.975) 5(2.15,-0.975) 6(2.15,-0.325) 7(2.15,0.325) 8(2.15,0.975)
  silkscreen extent -2.28,-1.55 1,1.87, body extent -1.55,-1.55 1.55,1.55, height 1.2
TSSOP-10-3x3-IPC [mm] "TSSOP, 10-Leads, Body 3.00x3.00mm, Pitch 0.50mm, IPC Medium Density"
  oval 1.65x0.3 smd: 1(-2.05,1) 2(-2.05,0.5) 3(-2.05,0) 4(-2.05,-0.5) 5(-2.05,-1) 6(2.05,-1) 7(2.05,-0.5) 8(2.05,0) 9(2.05,0.5) 10(2.05,1)
  silkscreen extent -2.17,-1.55 0.82,1.82, body extent -1.55,-1.55 1.55,1.55, height 1.1
TSSOP-14-4.4x5-0.65-w.TP-IPC [mm] "TSOP, 14-Leads, Body 5.00x4.40mm, Pitch 0.65mm, Thermal Pad 2.30.2x2.45.2mm, IPC Medium Density"
  oval 1.7x0.35 smd: 1(-2.85,1.95) 2(-2.85,1.3) 3(-2.85,0.65) 4(-2.85,0) 5(-2.85,-0.65) 6(-2.85,-1.3) 7(-2.85,-1.95) 8(2.85,-1.95) 9(2.85,-1.3) 10(2.85,-0.65) 11(2.85,0) 12(2.85,0.65) 13(2.85,1.3) 14(2.85,1.95)
  rect 2.45x2.3 smd: 15(0,0)
  silkscreen extent -2.97,-2.55 1.6,2.8, body extent -2.25,-2.55 2.25,2.55, height 1.2

## Part data
A2 A3 A4 ANT1 PAV1 PAV2 Pv S2 S3 S4 SAB1 SBV1 SBV2: "Header, 2-Pin", LatestRevisionDate=17-Jul-2002, LatestRevisionNote="Re-released for DXP Platform.", Publisher="Altium Limited"
C1 C2 C3 C4 C5 C6 C7 C10 C11 C12 C13 C14 C15 C16 C17 C18 C19 C22 C23 C24 C25 C26 C27 C50 C51 C52 C53 C54 C55 C56 C57 C58 C59 C60 C61 C62 C63 C64 C65 C66 C67 C68 C69 C70 C71 C72 C73 C74 C75 C76 C77 C78 C79 C80 C81 C82 C83 C84 C85 C87 C88 C89 C90 C91 C92 C93 C94 C95 C96 C97 C98 C99 C100 C101 C102 C103 C104 C105 C106 C107 C108: library part Cap_1, "Nonpolarized Capacitor (Surface Mount)"
  C24: =10nF
C8 C9 C20 C21: library part "Cap Pol_1", "Polarized Capacitor (Surface Mount)", =220uF
D1: library part "D Schottky", "Schottky Diode"
F1: library part A3P100PQ208, "ProASIC3 Flash Family FPGAs"
FIBER: "Header, 4-Pin, Dual row", LatestRevisionDate=17-Jul-2002, LatestRevisionNote="Re-released for DXP Platform.", Publisher="Altium Limited"
JTAG: "Header, 5-Pin, Dual row", LatestRevisionDate=17-Jul-2002, LatestRevisionNote="Re-released for DXP Platform.", Publisher="Altium Limited"
L1 L2 L51: library part Inductor_1, "Inductor"
MAGA SUNSEN: "Header, 2-Pin, Dual row", LatestRevisionDate=17-Jul-2002, LatestRevisionNote="Re-released for DXP Platform.", Publisher="Altium Limited"
MAGB: "Header, 3-Pin, Dual row", LatestRevisionDate=17-Jul-2002, LatestRevisionNote="Re-released for DXP Platform.", Publisher="Altium Limited"
P1 P2: "Header, 26-Pin, Dual row, Right Angle"
R1 R2 R3 R4 R5 R6 R7 R8 R9 R10 R11 R12 R13 R14 R15 R16 R17 R18 R19 R20 R21 R22 R23 R24 R25 R26 R27 R28 R45 R50 R51 R52 R53 R54 R55 R56 R57 R58 R59 R60 R61 R62 R63 R64 R65 R66 R67 R68 R69 R70 R71 R72 R73 R74 R75 R76 R77 R80 R81 R82 R83 R84 R85 R86 R87 R88 R89 R90 R91 R92 R93 R94 R95 R96 R97 R98 R99 R100 R101: library part Res_1, "Resistor"
T1 T2: "ESD Protection Array"
U1 U3: "4.5V to 18V Input, 2-A Synchronous Step-Down SWIFT Converter"
U2 U4: "High- or Low-Side, Bidirectional Current and Power Monitor With Two-Wire Interface"
U05: library part SN65HVD76, "3.3-V 422/485 Transceivers"
U5: "3.3-V CAN Bus Transceivers"
U06: "RS-232 Transceiver"
U07 U08: "I2C A-side drivers and B-side drivers"
UC01 UC02 UC04 UC05 UC06 UC07 UC08 UC09 UC10: "PRECISION ADJUSTABLE CURRENT-LIMITED POWER-DISTRIBUTION SWITCHES"
UC03: "18V eFuse with True Reverse Blocking and DevSleep Support for SSDs"
UP01: "DC-DC Inverter"
X1: library part SiT1602, "Standard Frequency Oscillator SiT1602"

## Free pads (board coordinates)
  round 250 hole 125 mask+1.97: 0(0,0) 0(0,3150) 0(3375,3000)
  round 200 hole 125 mask+1.97: 0(3375,100)

## Via types
v1: diameter 17.72, hole 7.87, Top Layer to Bottom Layer, 514 vias
v2: diameter 25.59, hole 15.75, Top Layer to Bottom Layer, 212 vias
v3: diameter 23.62, hole 11.81, Top Layer to Bottom Layer, 22 vias

## Nets (pads, with @x,y where several pads share a name; then routed paths per layer and width w, separated by ;. In a path a pad name is that pad's centre, name@x,y a point inside that pad or via, vN(x,y) a via of type N, cw(c..) or ccw(c..) an arc to the next point about the centre after c; other vN are vias at no path point)
1V5_EN: R1.1 U1.7 | length 116.8
  Top Layer w7.99: U1.7@1816.93,114.17 1816.93,149.61 1832.68,165.35 R1.1@1891.73,165.35
1V5_PG: F1.43 R2.2 U1.6 | length 2098.2
  Top Layer w5: U1.6@1791.34,114.17 1791.34,147.64 1771.65,167.32 1594.49,167.32 1502.91,258.9 1502.91,601.34 1883.86,982.28 2242.13,982.28 2311.02,1051.18 2311.02,1161.42 2346.46,1196.85 F1.43@2346.46,1271.65
  Top Layer w10: U1.6@1791.34,114.17 1791.34,82.68 1820.87,53.15 1857.87,53.15 R2.2@1891.73,19.29
3V3_EN: R11.1 U3.7 | length 110.2
  Top Layer w7.99: U3.7@2811.02,360.24 2811.02,387.8 2834.65,411.42 R11.1@2883.86,411.42
3V3_PG: F1.46 R10.2 U3.6 | length 1555.9
  Top Layer w5: F1.46@2405.51,1271.65 2405.51,1218.5 2490.16,1133.86 2834.65,1133.86 2944.88,1023.62 2944.88,545.28 2785.43,385.83 U3.6@2785.43,360.24
  Top Layer w7.99: U3.6@2785.43,360.24 2785.43,330.71 2812.99,303.15 2850.39,303.15 R10.2@2883.86,269.68
/FLT_Ant1_5V: F1.128 R98.2 UC09.8 | length 1282.2
  Top Layer w6: F1.128@2070.87,2448.82 2070.87,2338.58 v1(2106.3,2303.15)
  Top Layer w12: v1(1525.59,2771.65) 1525.59,2821.85 UC09.8@1552.17,2848.43
  Mid-Layer 2 w6: v1(1525.59,2771.65) 1525.59,2740.16 1472.44,2687.01 1472.44,2533.46 1557.09,2448.82 1612.2,2448.82 1745.86,2315.17 2094.28,2315.17 v1(2106.3,2303.15)
  Bottom Layer w10: v1(1525.59,2771.65) 1525.59,2738.19 R98.2@1533.46,2730.31
/FLT_Ant2_5V: F1.125 R100.2 UC10.8 | length 1179.4
  Top Layer w6: F1.125@2131.89,2446.85 F1.125@2129.92,2448.82 2129.92,2338.58 v1(2165.35,2303.15)
  Top Layer w12: v1(1738.19,2767.72) 1738.19,2821.85 1736.22,2823.82 UC10.8@1762.8,2850.39
  Mid-Layer 2 w6: v1(1738.19,2767.72) 1738.19,2746.06 1702.76,2710.63 1702.76,2403.52 1759.11,2347.17 2122.72,2347.17 2165.35,2304.53 v1(2165.35,2303.15)
  Bottom Layer w10: v1(1738.19,2767.72) 1738.19,2738.19 R100.2@1744.09,2732.28
/FLT_FIBGY+3.3: F1.31 R56.2 UC02.8 | length 2147.3
  Top Layer w5: UC02.8@379.92,609.25 387.8,601.38 v1(387.8,564.96) 387.8,562.99 401.57,549.21 622.05,549.21 716.54,643.7 716.54,728.35 874.02,885.83 1685.04,885.83 1990.16,1190.94 2064.96,1190.94 2110.24,1236.22 F1.31@2110.24,1271.65
/FLT_FIBGY-3.3: F1.37 R50.2 UC01.4 | length 1888.7
  Top Layer w5: UC01.4@1200.79,5.91 UC01.4@1210.63,5.91 ; UC01.4@1212.6,5.91 UC01.4@1210.63,5.91 ; F1.37@2228.35,1271.65 2228.35,1234.25 2127.8,1133.7 2006.11,1133.7 1482.91,610.5 1482.91,448 1361.06,326.14 1241.5,326.14 1198.82,283.46 1200.79,281.5 1196.85,277.56 v1(1196.85,43.31) 1196.85,19.68 UC01.4@1210.63,5.91
  Bottom Layer w10: v1(1196.85,43.31) 1198.82,41.34 1198.82,25.59 R50.2@1210.63,13.78
/FLT_MAGA: F1.10 R68.2 UC03.20 | length 884.6
  Top Layer w5: v1(1021.65,1145.67) 1021.65,1161.42 1029.37,1169.13 1637.64,1169.13 1696.85,1228.35 F1.10@1696.85,1271.65 ; UC03.20@1049.21,1109.25 UC03.20@1049.21,1118.11
  Top Layer w10: v1(1021.65,1145.67) UC03.20@1049.21,1118.11
  Bottom Layer w10: R68.2@946.85,1145.67 v1(1021.65,1145.67)
/FLT_MAGB_3.3: F1.150 R76.2 UC05.4 | length 1668.1
  Top Layer w5: UC05.4@303.15,2870.08 309.82,2870.08 338.58,2841.31 338.58,2778.54 382.87,2734.25 562.99,2734.25 588.58,2708.66 588.58,2541.34 612.15,2517.78 1610.18,2517.78 1637.8,2490.16 F1.150@1637.8,2448.82
  other v2: 301.18,2870.08
/FLT_MAGB_5: F1.148 R74.2 UC04.4 | length 1041.1
  Top Layer w5: UC04.4@780.51,2641.73 791.34,2641.73 814.96,2618.11 814.96,2553.15 830.33,2537.78 1633.48,2537.78 1677.17,2494.09 F1.148@1677.17,2448.82
  other v2: 777.56,2641.73
/FLT_Sb1_5V: F1.143 R94.2 UC07.8 | length 1397.4
  Top Layer w6: v1(1673.23,2322.83) 1685.04,2322.83 1775.59,2413.39 F1.143@1775.59,2448.82
  Top Layer w12: v1(1092.52,2773.62) 1092.52,2821.85 UC07.8@1119.09,2848.43
  Mid-Layer 2 w6: v1(1092.52,2773.62) 1092.52,2740.16 1051.18,2698.82 1051.18,2476.38 1312.99,2214.57 1564.96,2214.57 v1(1673.23,2322.83)
  Bottom Layer w10: v1(1092.52,2773.62) 1092.52,2738.19 R94.2@1100.39,2730.31
/FLT_Sb2_5V: F1.145 R96.2 UC08.8 | length 1040.2
  Top Layer w6: v1(1633.86,2362.2) 1681.1,2362.2 1736.22,2417.32 F1.145@1736.22,2448.82
  Top Layer w12: v1(1305.12,2771.65) 1305.12,2813.98 1309.06,2817.91 1307.09,2819.88 UC08.8@1335.63,2848.43
  Mid-Layer 2 w6: v1(1305.12,2771.65) 1305.12,2744.09 1309.06,2740.16 1257.87,2688.98 1257.87,2476.38 1377.95,2356.3 1627.95,2356.3 v1(1633.86,2362.2)
  Bottom Layer w10: v1(1305.12,2771.65) 1305.12,2742.13 R96.2@1316.93,2730.31
/FLT_SUNSEN_3.3: F1.119 R92.2 UC06.4 | length 630.2
  Top Layer w5: UC06.4@2033.46,2990.16 2033.46,2966.54 2102.2,2897.8 2102.2,2783.26 2248.03,2637.43 F1.119@2248.03,2448.82
  other v2: 2033.46,3000
Ant1: ANT1.1 F1.134 R80.1 | length 2536.6
  Top Layer w6: F1.134@1952.76,2448.82 1952.76,2338.58 1960.63,2330.71 v1(1960.63,2234.25)
  Top Layer w10: ANT1.1@647.64,3110.63 701.18,3057.09 777.56,3057.09 866.14,2968.5 R80.1@872.05,2968.5
  Mid-Layer 2 w6: v2(874.02,2968.5) 842.52,2937.01 842.52,2872.05 799.46,2828.99 799.46,2694.63 829.2,2664.9 829.2,2592.96 783.97,2547.73 783.97,2412.84 1162.34,2034.47 1656.54,2034.47 1858.49,2236.43 1958.46,2236.43 v1(1960.63,2234.25)
Ant2: A2.1 F1.133 R81.1 | length 2460.7
  Top Layer w6: F1.133@1972.44,2448.82 1972.44,2348.43 1978.35,2342.52 v1(1978.35,2253.94)
  Top Layer w10: A2.1@748.03,3110.63 749.61,3110.63 856.3,3003.94 895.67,3003.94 R81.1@931.1,2968.5
  Mid-Layer 2 w6: v2(933.07,2968.5) 901.57,2937.01 901.57,2879.92 881.18,2859.53 881.18,2684.33 845.2,2648.35 845.2,2586.33 799.97,2541.1 799.97,2419.47 1168.96,2050.47 1649.91,2050.47 1855.55,2256.11 1976.17,2256.11 v1(1978.35,2253.94)
Ant3: A3.1 F1.132 R82.1 | length 2331.9
  Top Layer w6: F1.132@1992.13,2448.82 1992.13,2358.27 1998.03,2352.36 v1(1998.03,2273.62)
  Top Layer w10: A3.1@848.43,3110.63 990.16,2968.9 v2(990.16,2968.5)
  Mid-Layer 2 w6: v2@988.19,2966.54 960.63,2938.98 960.63,2885.83 897.18,2822.38 897.18,2672.77 861.2,2636.79 861.2,2579.7 815.97,2534.47 815.97,2426.1 1082.61,2159.45 1736.26,2159.45 1852.61,2275.8 1995.86,2275.8 v1(1998.03,2273.62)
Ant4: A4.1 F1.131 R83.1 | length 2157.1
  Top Layer w6: F1.131@2011.81,2448.82 2011.81,2299.21 v1(2017.72,2293.31)
  Top Layer w10: A4.1@948.82,3110.63 974.41,3085.04 974.41,3043.31 R83.1@1049.21,2968.5
  Mid-Layer 2 w6: v2@1049.21,2970.47 1023.62,2944.88 1023.62,2881.89 913.18,2771.45 913.18,2615.42 913.59,2615.01 913.59,2593.64 913.18,2593.23 913.18,2502.17 1239.91,2175.45 1729.63,2175.45 1849.67,2295.48 2015.54,2295.48 v1(2017.72,2293.31)
  other v2: 1051.18,2968.5
BUS_CANH: P1.3 R23.1 U5.7 | length 472.5
  Top Layer w10: v1(2830.71,2519.68) 2830.71,2482.28 R23.1@2832.68,2480.32 2832.68,2456.69 2845.47,2443.9 2845.47,2398.23 U5.7@2849.02,2394.69
  Bottom Layer w5: 2976.39,2700.8 2980.31,2700.8
  Bottom Layer w10: v1(2830.71,2519.68) 2830.71,2555.12 2976.39,2700.8 ; 2980.31,2700.8 P1.3@3074.85,2700.8
BUS_CANL: P1.1 R23.2 U5.6 | length 479
  Top Layer w10: U5.6@2899.02,2394.69 2899.02,2479.72 R23.2@2899.61,2480.32 2899.61,2625.56 P1.1@3074.85,2800.8
BUS_CANLB: F1.85 U5.5 | length 729.3
  Top Layer w5.98: F1.85@2610.24,1988.19 2885.83,1988.19 2974.41,2076.77 2974.41,2299.21 2949.02,2324.61 U5.5@2949.02,2394.69